# Altium PCB UmTRXv2.PcbDoc (part 11 of 25)
Units mm, origin at the board's own origin, x right, y up, seen from the top; angles counter-clockwise.
Board outline 159.5 x 99.5 mm, 6 copper layers (Top Layer, GND, MidLayer1, Mid-Layer 2, InternalPlane2, Bottom Layer), stack 1.526 mm thick; 708 components, 578 nets, 2802 pads, 1408 vias.
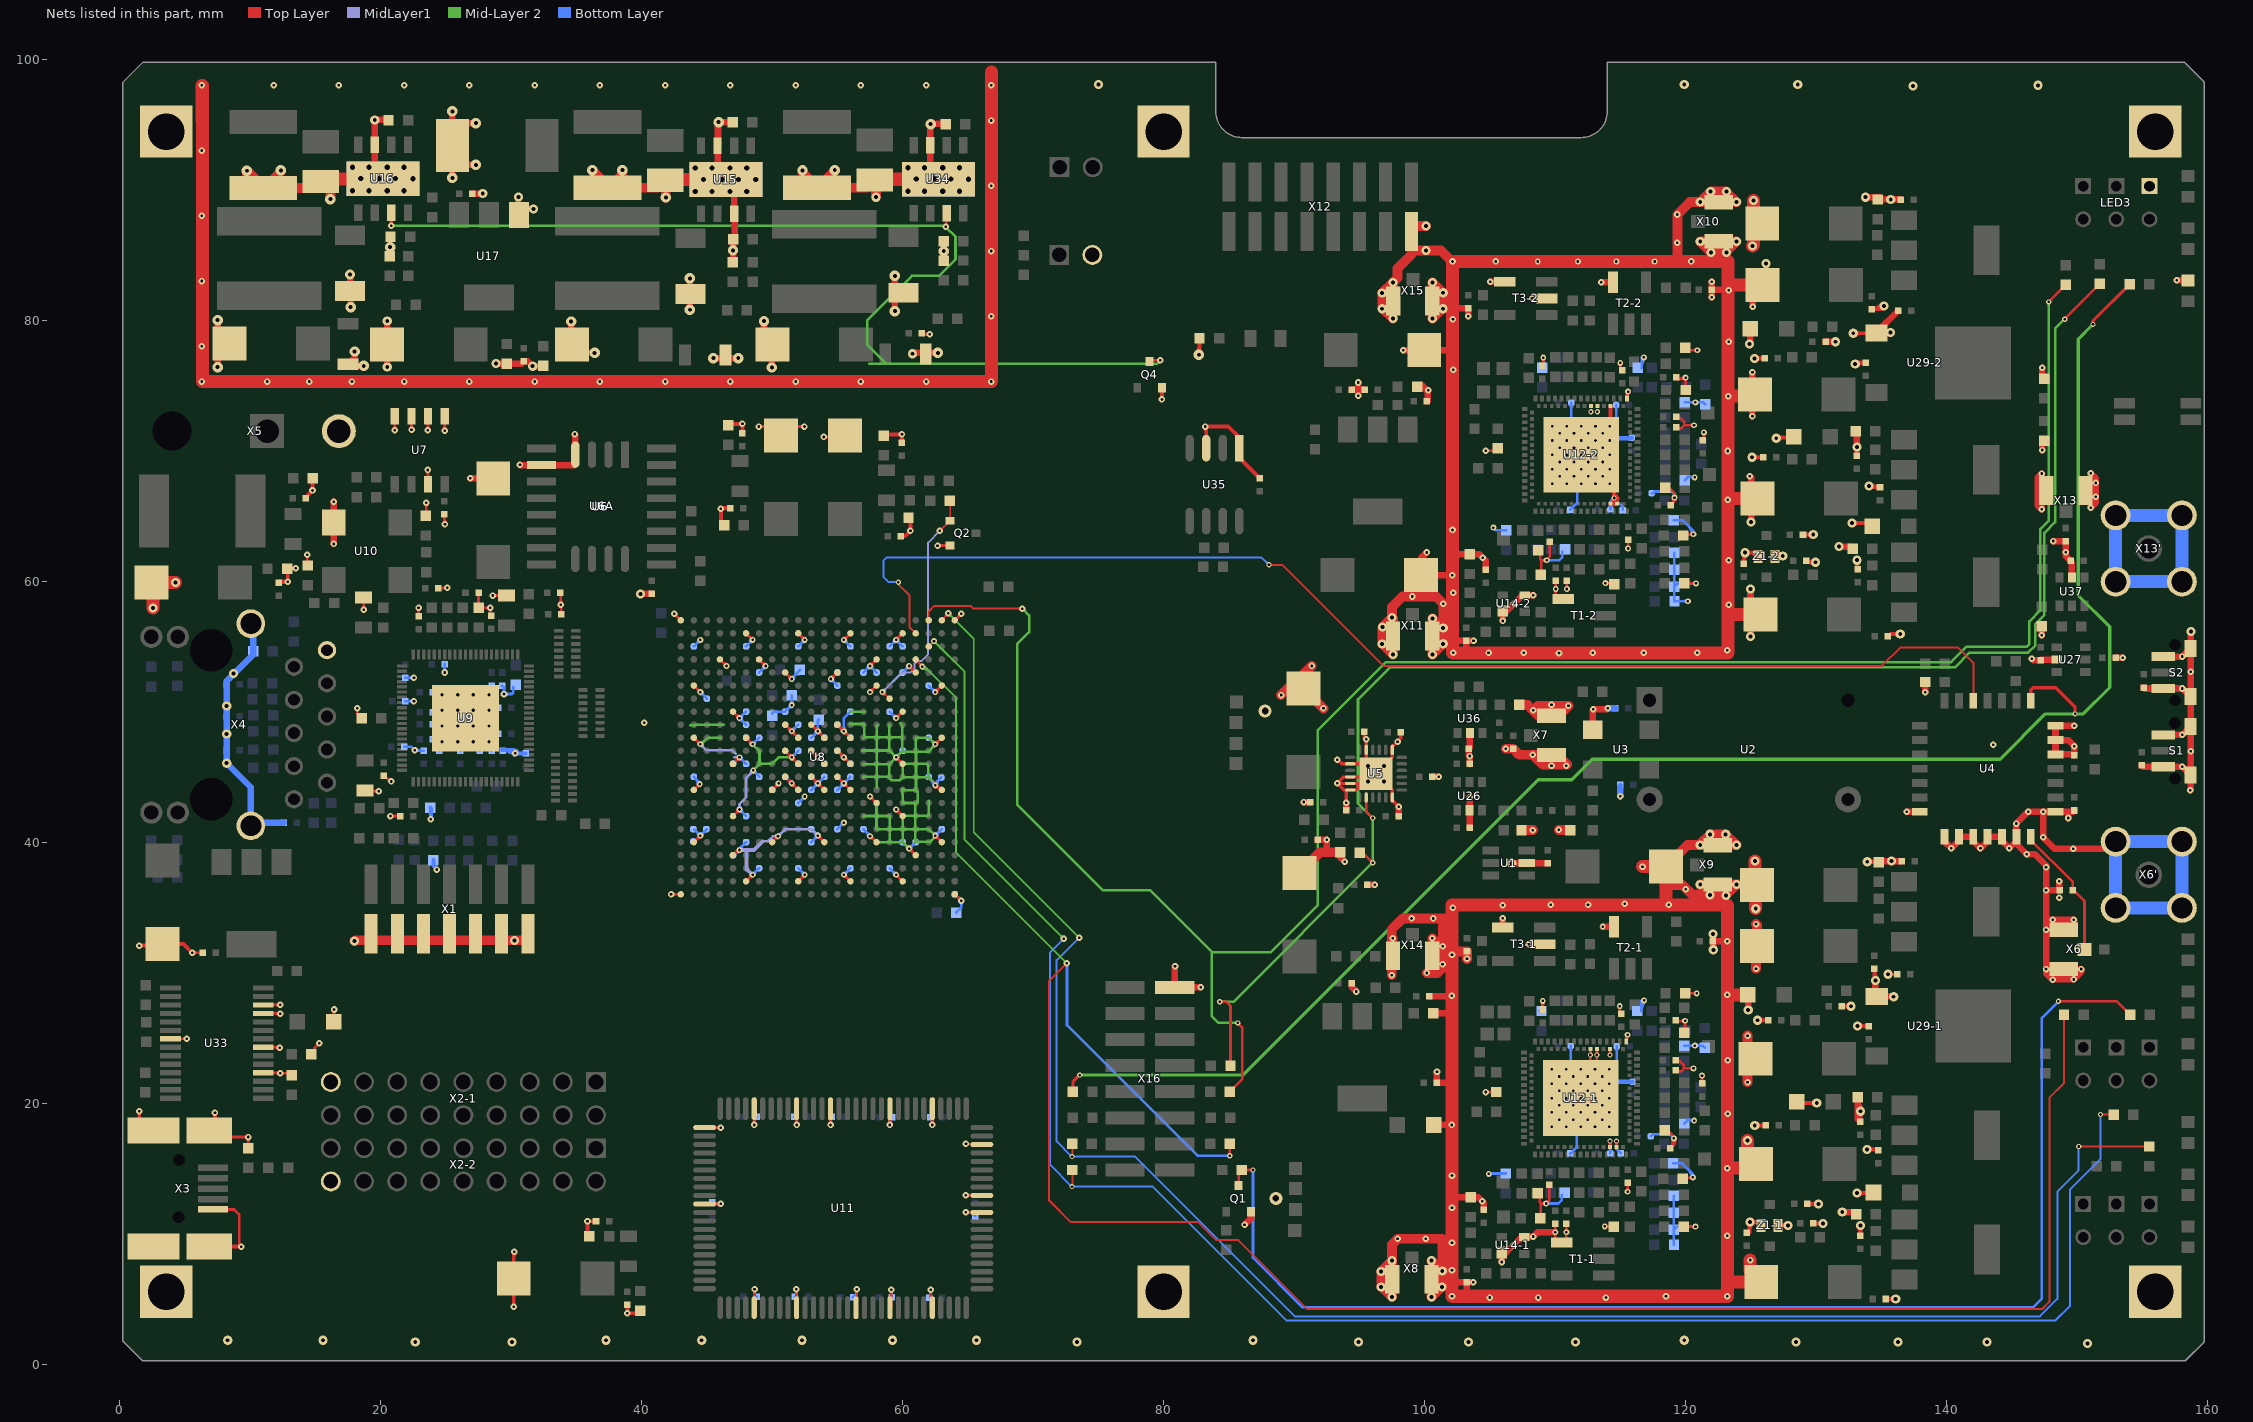
[diagram p15: the nets of this part, all layers, seen from the top]

## Via types
v1: diameter 0.5, hole 0.2, Top Layer to Bottom Layer, tented both sides, 441 vias
v2: diameter 0.45, hole 0.2, Top Layer to Bottom Layer, tented both sides, 429 vias
v3: diameter 0.7, hole 0.3, Top Layer to Bottom Layer, tented both sides, 258 vias
v4: diameter 0.4, hole 0.2, Top Layer to Bottom Layer, tented both sides, 197 vias
v5: diameter 0.8, hole 0.3, Top Layer to Bottom Layer, tented both sides, 61 vias
v6: diameter 0.6, hole 0.25, Top Layer to Bottom Layer, tented both sides, 16 vias
v7: diameter 0.6, hole 0.3, Top Layer to Bottom Layer, tented both sides, 4 vias
v8: diameter 1, hole 0.5, Top Layer to Bottom Layer, tented both sides, 2 vias

## Nets (pads, with @x,y where several pads share a name; then routed paths per layer and width w, separated by ;. In a path a pad name is that pad's centre, name@x,y a point inside that pad or via, vN(x,y) a via of type N, cw(c..) or ccw(c..) an arc to the next point about the centre after c; other vN are vias at no path point) (continued)
GND: (continued)
  Bottom Layer w0.2: C245.2@21.8,47.3 22.35,47.3 v1(22.6,47.05) 22.65,47 C229.2@23.3,47 ; C242.2@21.9,50.8 v1(22.55,50.8) ; C281.2@21.9,52.6 v1(22.55,52.6) ; C238.2@24.5,47 24.5,47.5 v6(24.7,47.7) ; v1(24.9,53) C237.2@24.9,53.65 ; C232.2@26.1,47 26.1,47.5 v6(25.9,47.7) ; C239.2@27.6,47 27.6,47.5 ; C233.2@28.5,47 28.5,47.5 v6(28.3,47.7) ; C231.2@29,48.3 28.4,47.7 v6(28.3,47.7) ; C230.2@29.3,52 29.45,51.85 v1(29.45,51.35) 30.05,51.35 30.15,51.45 C41.1@30.15,51.9 ; C212.1@44,45 44.5,44.5 v2(44.45,44.45) ; C186.1@44,55 v2(44.5,55.5) ; C185.1@44.05,40.05 v2(44.5,40.5) ; C209.1@44.05,40.95 v2(44.5,40.5) ; C212.1@44.123,44.877 cw(c43.696,44.45) v2@44.3,44.45 ; v2@44.35,55.5 cw(c43.988,55.5) 44.244,55.244 cw(c44.5,54.988) v2@44.5,55.35 ; v2@44.5,40.35 ccw(c44.5,39.988) 44.244,40.244 ccw(c43.988,40.5) 44.35,40.5 ccw(c43.988,40.5) 44.244,40.756 ccw(c44.5,41.012) 44.5,40.65 ccw(c44.5,41.012) 44.756,40.756 ccw(c45.012,40.5) v2@44.65,40.5 ; v2@44.5,51.35 cw(c44.5,50.988) 44.756,51.244 cw(c45.012,51.5) v2@44.65,51.5 ; v2(44.5,51.5) C211.1@45,51 ; v2@44.55,40.45 v2(44.5,40.5) ; v2@44.55,40.5 v2(44.5,40.5) ; C208.1@45,41 v2(44.5,40.5) ; C224.1@45.45,12.4 45.575,12.275 v1(46.075,12.275) ; C176.1@47,39 47.5,39.5 C194.1@48,40 ; C210.1@47,46 v2(47.5,46.5) C172.1@48,46 ; C176.1@47.073,39.073 cw(c47.5,38.646) v2@47.5,39.25 ; v2@47.35,46.5 cw(c46.988,46.5) 47.244,46.244 cw(c47.5,45.988) 47.5,46.35 cw(c47.5,45.988) 47.756,46.244 cw(c48.012,46.5) v2@47.65,46.5 ; v2@47.5,42.35 cw(c47.5,41.988) 47.756,42.244 cw(c48.012,42.5) v2@47.65,42.5 ; v2(47.5,42.5) C184.1@48,42 ; v2@47.5,49.35 cw(c47.5,48.988) 47.756,49.244 cw(c48.012,49.5) 47.65,49.5 cw(c48.012,49.5) 47.756,49.756 cw(c47.5,50.012) v2@47.5,49.65 ; v2(47.5,39.4) v2@47.5,39.5 ; v2@47.65,39.4 cw(c48.254,39.4) C194.1@47.827,39.827 ; C213.1@48,48 v2(48.5,47.5) C249.2@49,48 ; C174.1@48,49 v2(47.5,49.5) C177.1@48,50 ; C251.2@48,55 v2(48.5,55.5) ; v2@48.35,47.5 ccw(c47.988,47.5) 48.244,47.756 ccw(c48.5,48.012) 48.5,47.65 ccw(c48.5,48.012) 48.756,47.756 ccw(c49.012,47.5) v2@48.65,47.5 ; v2@48.35,55.5 cw(c47.988,55.5) 48.244,55.244 cw(c48.5,54.988) v2@48.5,55.35 ; v2(48.5,37.5) C187.1@49,38 ; v2@48.5,37.65 ccw(c48.5,38.012) 48.756,37.756 ccw(c49.012,37.5) v2@48.65,37.5 ; v2(48.55,45.5) 49,45.05 C250.2@49,45 ; v1(48.625,18.325) 48.625,18.775 C218.1@48.8,18.95 ; v1(48.65,5.75) 48.65,5.3 C219.1@48.8,5.15 ; C199.1@49,53 v2(49.5,53.5) ; v2@49.35,53.5 cw(c48.988,53.5) 49.244,53.244 cw(c49.5,52.988) v2@49.5,53.35 ; C248.2@50,44 v2(50.5,44.5) ; R23.1@50,49.85 50.15,50 C257.2@51,50 v2(51.5,50.5) R67.1@51.5,51.25 51.5,51.263 R67.1@51.504,51.266 ; v2@50.35,44.5 cw(c49.988,44.5) 50.244,44.244 cw(c50.5,43.988) v2@50.5,44.35 ; C197.1@51,45 v2(51.5,44.5) ; v2@51.35,44.5 ccw(c50.988,44.5) 51.244,44.756 ccw(c51.5,45.012) v2@51.5,44.65 ; v2@51.35,50.5 cw(c50.988,50.5) 51.244,50.244 cw(c51.5,49.988) v2@51.5,50.35 ; v2@51.394,50.606 ccw(c51.138,50.862) 51.5,50.862 ccw(c51.862,50.862) v2@51.606,50.606 ; v2@51.5,46.35 cw(c51.5,45.988) 51.756,46.244 cw(c52.012,46.5) 51.65,46.5 cw(c52.012,46.5) 51.756,46.756 cw(c51.5,47.012) v2@51.5,46.65 ; v2(51.5,48.5) C265.2@52,49 ; v2@51.5,48.65 ccw(c51.5,49.012) 51.756,48.756 ccw(c52.012,48.5) v2@51.65,48.5 ; v2(51.5,52.5) 51.5,52.55 R32.2@52.15,53.2 ; v2@51.5,52.65 ccw(c51.5,52.891) 51.671,52.721 ; v2@51.65,52.5 cw(c52.133,52.5) R32.2@51.791,52.841 ; C217.1@51.7,18.95 51.875,18.775 v1(51.875,18.325) ; C220.1@51.75,5.15 51.85,5.25 v1(51.85,5.75) ; C188.1@52,38 v2(52.5,37.5) ; C206.1@52,43 v2(52.5,43.5) ; C273.2@52,46 v2(51.5,46.5) C263.2@52,47 ; C201.1@52,55 v2(52.5,55.5) ; v2@52.35,37.5 ccw(c51.988,37.5) 52.244,37.756 ccw(c52.5,38.012) v2@52.5,37.65 ; v2@52.35,43.5 cw(c51.988,43.5) 52.244,43.244 cw(c52.5,42.988) v2@52.5,43.35 ; v2@52.35,55.5 cw(c51.988,55.5) 52.244,55.244 cw(c52.5,54.988) v2@52.5,55.35 ; C183.1@53,40 v2(53.5,40.5) C246.2@53,41 ; C262.2@53,44 v2(53.5,44.5) ; C274.2@53,45 v2(53.5,44.5) ; C270.2@53,47 v2(53.5,46.5) C264.2@54,46 ; C277.2@53,48 v2(53.5,48.5) ; v2@53.35,46.5 ccw(c52.988,46.5) 53.244,46.756 ccw(c53.5,47.012) v2@53.5,46.65 ; v2@53.35,48.5 cw(c52.988,48.5) 53.244,48.244 cw(c53.5,47.988) 53.5,48.35 cw(c53.5,47.988) 53.756,48.244 cw(c54.012,48.5) v2@53.65,48.5 ; v2@53.5,40.35 ccw(c53.5,39.988) 53.244,40.244 ccw(c52.988,40.5) 53.35,40.5 ccw(c52.988,40.5) 53.244,40.756 ccw(c53.5,41.012) v2@53.5,40.65 ; v2@53.5,44.35 ccw(c53.5,43.988) 53.244,44.244 ccw(c52.988,44.5) 53.35,44.5 ccw(c52.988,44.5) 53.244,44.756 ccw(c53.5,45.012) 53.5,44.65 ccw(c53.5,45.012) 53.756,44.756 ccw(c54.012,44.5) v2@53.65,44.5 ; v2@53.5,46.35 cw(c53.5,45.988) 53.756,46.244 cw(c54.012,46.5) v2@53.65,46.5 ; R24.1@53.566,49.396 53.5,49.33 v2(53.5,48.5) ; C272.2@54,45 v2(53.5,44.5) ; C268.2@54,48 v2(53.5,48.5) ; v1(54.475,18.325) 54.475,18.875 C223.1@54.55,18.95 ; v2@54.5,52.35 cw(c54.5,51.988) 54.756,52.244 cw(c55.012,52.5) 54.65,52.5 cw(c55.012,52.5) 54.756,52.756 cw(c54.5,53.012) v2@54.5,52.65 ; C182.1@55,41 v2(55.5,41.5) ; C196.1@55,44 v2(55.5,44.5) C260.2@56,45 ; C276.2@55,47 v2(55.5,46.5) C200.1@56,46 ; C271.2@55,49 v2(55.5,48.5) ; C203.1@55,52 v2(54.5,52.5) C247.2@55,53 ; v2@55.35,41.5 cw(c54.988,41.5) 55.244,41.244 cw(c55.5,40.988) v2@55.5,41.35 ; v2@55.35,44.5 cw(c54.988,44.5) 55.244,44.244 cw(c55.5,43.988) v2@55.5,44.35 ; v2@55.35,46.5 ccw(c54.988,46.5) 55.244,46.756 ccw(c55.5,47.012) v2@55.5,46.65 ; v2@55.35,48.5 ccw(c54.988,48.5) 55.244,48.756 ccw(c55.5,49.012) v2@55.5,48.65 ; v2@55.394,48.606 ccw(c55.138,48.862) 55.5,48.862 ccw(c55.862,48.862) v2@55.606,48.606 ; v2(55.5,37.5) C189.1@56,38 ; v2@55.5,37.65 ccw(c55.5,38.012) 55.756,37.756 ccw(c56.012,37.5) v2@55.65,37.5 ; v2@55.5,44.65 ccw(c55.5,45.012) 55.756,44.756 ccw(c56.012,44.5) v2@55.65,44.5 ; v2@55.5,46.35 cw(c55.5,45.988) 55.756,46.244 cw(c56.012,46.5) v2@55.65,46.5 ; v2@55.5,48.35 cw(c55.5,47.988) 55.756,48.244 cw(c56.012,48.5) v2@55.65,48.5 ; v2@55.5,55.35 cw(c55.5,54.988) 55.756,55.244 cw(c56.012,55.5) v2@55.65,55.5 ; v2(55.5,55.5) C252.2@56,55 ; C255.2@56,48 v2(55.5,48.5) ; C258.2@56,50 55.5,49.5 v2(55.5,48.5) ; C225.1@56.2,5.125 56.475,5.4 v1(56.475,5.75) ; C204.1@57,41 v2@57.5,40.5 ; C256.2@57,53 v2(57.5,53.5) C198.1@58,53 ; 57.208,40.792 cw(c56.867,40.45) v2@57.35,40.45 ; 57.33,40.67 ccw(c57.5,40.841) v2@57.5,40.6 ; v2@57.35,53.5 cw(c56.988,53.5) 57.244,53.244 cw(c57.5,52.988) 57.5,53.35 cw(c57.5,52.988) 57.756,53.244 cw(c58.012,53.5) v2@57.65,53.5 ; v2(57.5,40.45) v2@57.5,40.5 ; C190.1@59,38 v2(59.5,37.5) ; C259.2@59,50 v2(59.5,49.5) ; C202.1@59,55 v2(59.5,55.5) C254.2@60,55 ; v1(59.025,18.325) 59.025,18.825 C216.1@59.15,18.95 ; C221.1@59.125,5.125 v1(59.125,5.7) ; v2@59.35,37.5 ccw(c58.988,37.5) 59.244,37.756 ccw(c59.5,38.012) v2@59.5,37.65 ; v2@59.35,49.5 ccw(c58.988,49.5) 59.244,49.756 ccw(c59.5,50.012) v2@59.5,49.65 ; v2@59.35,55.5 cw(c58.988,55.5) 59.244,55.244 cw(c59.5,54.988) 59.5,55.35 cw(c59.5,54.988) 59.756,55.244 cw(c60.012,55.5) v2@59.65,55.5 ; v2(59.5,46.5) C175.1@60,47 ; v2@59.5,46.65 ccw(c59.5,47.012) 59.756,46.756 ccw(c60.012,46.5) v2@59.65,46.5 ; C193.1@60,40 v2(60.5,39.5) C181.1@61,40 ; C178.1@60,53 v2(60.5,53.5) ; v2@60.35,39.5 ccw(c59.988,39.5) 60.244,39.756 ccw(c60.5,40.012) 60.5,39.65 ccw(c60.5,40.012) 60.756,39.756 ccw(c61.012,39.5) v2@60.65,39.5 ; v2@60.35,53.5 cw(c59.988,53.5) 60.244,53.244 cw(c60.5,52.988) v2@60.5,53.35 ; C205.1@62,44.9 v2@62.45,44.45 ; C192.1@62,48 v2(62.5,47.5) ; C207.1@62,52 v2(62.5,51.5) ; C215.1@62.1,18.95 62.275,18.775 v1(62.275,18.325) ; C222.1@62.15,5.1 v1(62.15,5.7) ; 62.209,44.691 cw(c61.867,44.35) v2@62.35,44.35 ; 62.329,44.571 ccw(c62.5,44.741) v2@62.5,44.5 ; v2@62.35,47.5 ccw(c61.988,47.5) 62.244,47.756 ccw(c62.5,48.012) v2@62.5,47.65 ; v2@62.35,51.5 ccw(c61.988,51.5) 62.244,51.756 ccw(c62.5,52.012) v2@62.5,51.65 ; v2(62.5,40.5) C180.1@63,41 ; v2@62.5,40.65 ccw(c62.5,41.012) 62.756,40.756 ccw(c63.012,40.5) v2@62.65,40.5 ; v2(62.5,44.35) 62.5,44.4 v2@62.45,44.45 ; v2@62.65,44.35 cw(c63.374,44.35) C179.1@62.862,44.862 ; C179.1@62.95,44.95 v2@62.45,44.45 ; C191.1@64,36 v1(64.5,35.5) 64.5,35 R93.2@64.1,34.6 ; v1(64.825,11.625) 65.275,11.625 C227.1@65.55,11.35 ; v2@104.956,14.608 R107-1.1@106.211,14.608 ; v2(105.275,64.1) 105.475,63.9 R107-2.1@106.25,63.9 ; C81-1.2@108.811,27.058 109.057,27.304 v2(109.057,27.838) ; C81-2.2@108.85,76.35 109.096,76.596 v2(109.096,77.13) ; v2(109.311,12.308) 110.261,12.308 110.511,12.558 C74-1.2@110.511,12.958 ; v2(109.35,61.6) 110.3,61.6 110.55,61.85 C74-2.2@110.55,62.25 ; U12-1.0@109.707,18.138 U12-1.0@109.757,18.188 ; U12-2.0@109.746,67.43 U12-2.0@109.796,67.48 ; U12-1.0@110.857,22.588 111.2,22.931 C88-1.2@111.2,24.375 ; U12-2.0@110.896,71.88 111.25,72.234 C88-2.2@111.25,73.664 ; C62-1.1@111.15,16.15 111.15,16.081 111.65,16.581 111.65,17.881 U12-1.0@111.957,18.188 ; C62-2.1@111.175,65.475 111.175,65.5 111.7,66.025 111.7,67.184 U12-2.0@111.996,67.48 ; U12-1.0@114.157,18.188 U12-1.0@114.257,18.188 ; U12-1.0@114.157,22.588 114.725,23.156 C79-1.2@114.725,24.35 ; U12-2.0@114.196,67.48 U12-2.0@114.296,67.48 ; U12-2.0@114.196,71.88 114.675,72.359 C79-2.2@114.675,73.5 ; v4(114.207,17.088) 114.225,17.07 C92-1.2@114.225,16.15 ; C92-2.2@114.246,65.5 114.246,66.096 v4(114.525,66.375) 115.2,65.7 C78-2.2@115.2,65.467 ; v4(114.707,17.088) 114.707,16.493 C78-1.2@115.025,16.175 ; C75-1.2@116.611,27.042 v2@116.611,27.858 ; C75-1.2@116.611,27.315 cw(c117.254,27.315) v2@116.799,27.77 ; C75-2.2@116.65,76.334 v2@116.65,77.15 ; C75-2.2@116.65,76.607 cw(c117.293,76.607) v2@116.838,77.062 ; C75-1.2@116.681,27.384 ccw(c116.248,27.634) v2@116.71,27.827 ; v2@116.698,77.078 cw(c116.455,76.906) 116.713,76.757 ; 116.704,27.604 cw(c116.851,27.604) v2@116.837,27.751 ; C89-1.2@117.325,17.45 117.475,17.6 118.794,17.6 v2(119.1,17.294) ; C89-2.2@117.4,66.75 117.525,66.75 117.65,66.875 118.912,66.875 119.137,66.65 119.15,66.65 v2(119.15,66.4) ; C73-1.2@119.057,15.388 119.731,15.388 120.561,14.558 ; C73-2.2@119.096,64.68 119.77,64.68 120.6,63.85 ; R110-1.1@119.107,9.162 R111-1.1@119.107,10.288 ; R113-1.1@119.107,12.888 R112-1.1@119.107,11.588 R111-1.1@119.107,10.288 ; R113-2.1@119.146,62.18 R112-2.1@119.146,60.88 R111-2.1@119.146,59.58 ; C82-1.2@119.907,18.438 C82-1.2@120.077,18.608 ; C98-1.2@119.911,24.408 v2(120.711,24.408) 121.311,24.408 R121-1.2@121.461,24.258 ; C82-2.2@119.946,67.73 C82-2.2@120.116,67.9 ; C98-2.2@119.95,73.7 v2(120.75,73.7) 121.35,73.7 R121-2.2@121.5,73.55 ; C82-1.2@120.127,18.708 v2@120.711,18.708 ; C82-2.2@120.166,68 v2@120.75,68 ; v2(120.172,58.462) 120.16,58.45 R110-2.1@119.15,58.45 119.146,58.454 R111-2.1@119.146,59.58 ; 120.362,14.678 cw(c120.131,14.447) v2@120.442,14.347 ; 120.401,63.97 cw(c120.17,63.739) v2@120.481,63.638 ; v2(120.561,14.308) 120.561,14.558 ; v2(120.6,63.6) 120.6,63.85 ; v2(120.757,10.538) 119.357,10.538 R111-1.1@119.107,10.288 ; v2(120.796,59.83) 119.396,59.83 R111-2.1@119.146,59.58 ; 22.188,50.8 ccw(c22.188,51.162) v1@22.444,50.906 ; 22.188,50.8 ccw(c22.188,51.162) v1@22.444,50.906 ; 22.188,50.8 ccw(c22.188,51.162) v1@22.444,50.906 ; 22.188,50.8 cw(c22.188,50.438) v1@22.444,50.694 ; 22.188,50.8 cw(c22.188,50.438) v1@22.444,50.694 ; 22.188,50.8 cw(c22.188,50.438) v1@22.444,50.694 ; 22.188,52.6 ccw(c22.188,52.962) v1@22.444,52.706 ; 22.188,52.6 ccw(c22.188,52.962) v1@22.444,52.706 ; 22.188,52.6 ccw(c22.188,52.962) v1@22.444,52.706 ; 22.188,52.6 cw(c22.188,52.238) v1@22.444,52.494 ; 22.188,52.6 cw(c22.188,52.238) v1@22.444,52.494 ; 22.188,52.6 cw(c22.188,52.238) v1@22.444,52.494 ; v1@22.706,47.156 ccw(c23.083,47.533) C229.2@23.083,47 ; v1@22.706,47.156 ccw(c23.083,47.533) C229.2@23.083,47 ; v1@22.706,47.156 ccw(c23.083,47.533) C229.2@23.083,47 ; C244.2@24,47.9 cw(c24,47.288) v6@24.528,47.598 ; C244.2@24,47.9 cw(c24,47.288) v6@24.528,47.598 ; C244.2@24,47.9 cw(c24,47.288) v6@24.528,47.598 ; C244.2@24,47.9 24.5,47.9 v6(24.7,47.7) ; C243.2@24,49.1 cw(c24,48.488) v6@24.528,48.798 ; C243.2@24,49.1 cw(c24,48.488) v6@24.528,48.798 ; C243.2@24,49.1 cw(c24,48.488) v6@24.528,48.798 ; C243.2@24,49.1 24.5,49.1 v6(24.7,48.9) ; C282.2@24,49.9 ccw(c24,50.512) v6@24.528,50.202 ; C282.2@24,49.9 ccw(c24,50.512) v6@24.528,50.202 ; C282.2@24,49.9 ccw(c24,50.512) v6@24.528,50.202 ; C282.2@24,49.9 24.5,49.9 v6(24.7,50.1) ; C241.2@24,51.5 cw(c24,50.888) v6@24.528,51.198 ; C241.2@24,51.5 cw(c24,50.888) v6@24.528,51.198 ; C241.2@24,51.5 cw(c24,50.888) v6@24.528,51.198 ; C241.2@24,51.5 24.5,51.5 v6(24.7,51.3) ; 24.35,47.9 cw(c24.35,47.494) v6(24.7,47.7) ; 24.35,47.9 cw(c24.35,47.494) v6(24.7,47.7) ; 24.35,47.9 cw(c24.35,47.494) v6(24.7,47.7) ; 24.35,49.1 cw(c24.35,48.694) v6(24.7,48.9) ; 24.35,49.1 cw(c24.35,48.694) v6(24.7,48.9) ; 24.35,49.1 cw(c24.35,48.694) v6(24.7,48.9) ; 24.35,49.9 ccw(c24.35,50.306) v6(24.7,50.1) ; 24.35,49.9 ccw(c24.35,50.306) v6(24.7,50.1) ; 24.35,49.9 ccw(c24.35,50.306) v6(24.7,50.1) ; 24.35,51.5 cw(c24.35,51.094) v6(24.7,51.3) ; 24.35,51.5 cw(c24.35,51.094) v6(24.7,51.3) ; 24.35,51.5 cw(c24.35,51.094) v6(24.7,51.3) ; C238.2@24.5,46.972 cw(c25.162,46.972) v6@24.807,47.531 ; C238.2@24.5,46.972 cw(c25.162,46.972) v6@24.807,47.531 ; C238.2@24.5,46.972 cw(c25.162,46.972) v6@24.807,47.531 ; 24.5,47.336 cw(c24.931,47.336) v6(24.7,47.7) ; 24.5,47.336 cw(c24.931,47.336) v6(24.7,47.7) ; 24.5,47.336 cw(c24.931,47.336) v6(24.7,47.7) ; v1@24.794,53.106 ccw(c24.538,53.362) 24.9,53.362 ; v1@24.794,53.106 ccw(c24.538,53.362) 24.9,53.362 ; v1@24.794,53.106 ccw(c24.538,53.362) 24.9,53.362 ; 24.9,53.362 ccw(c25.262,53.362) v1@25.006,53.106 ; 24.9,53.362 ccw(c25.262,53.362) v1@25.006,53.106 ; 24.9,53.362 ccw(c25.262,53.362) v1@25.006,53.106 ; v6@25.793,47.531 cw(c25.438,46.972) C232.2@26.1,46.972 ; v6@25.793,47.531 cw(c25.438,46.972) C232.2@26.1,46.972 ; v6@25.793,47.531 cw(c25.438,46.972) C232.2@26.1,46.972 ; v6(25.9,47.7) cw(c25.669,47.336) 26.1,47.336 ; v6(25.9,47.7) cw(c25.669,47.336) 26.1,47.336 ; v6(25.9,47.7) cw(c25.669,47.336) 26.1,47.336 ; v6(27.1,47.7) cw(c27.247,47.487) 27.43,47.67 ; v6(27.1,47.7) cw(c27.247,47.487) 27.43,47.67 ; v6(27.1,47.7) cw(c27.247,47.487) 27.43,47.67 ; v6(27.1,47.7) 27.4,47.7 27.6,47.5 ; v6@27.213,47.535 cw(c27.386,47.286) 27.6,47.5 ; v6@27.213,47.535 cw(c27.386,47.286) 27.6,47.5 ; v6@27.213,47.535 cw(c27.386,47.286) 27.6,47.5 ; v6@28.193,47.531 cw(c27.838,46.972) C233.2@28.5,46.972 ; v6@28.193,47.531 cw(c27.838,46.972) C233.2@28.5,46.972 ; v6@28.193,47.531 cw(c27.838,46.972) C233.2@28.5,46.972 ; v6@28.198,51.472 ccw(c27.888,52) C236.2@28.5,52 ; v6@28.198,51.472 ccw(c27.888,52) C236.2@28.5,52 ; v6@28.198,51.472 ccw(c27.888,52) C236.2@28.5,52 ; v6(28.3,47.7) cw(c28.73,47.54) 28.611,47.983 ; v6(28.3,47.7) cw(c28.73,47.54) 28.611,47.983 ; v6(28.3,47.7) cw(c28.73,47.54) 28.611,47.983 ; v6(28.3,47.7) cw(c28.069,47.336) 28.5,47.336 ; v6(28.3,47.7) cw(c28.069,47.336) 28.5,47.336 ; v6(28.3,47.7) cw(c28.069,47.336) 28.5,47.336 ; v6@28.3,47.9 ccw(c28.3,48.624) C231.2@28.812,48.112 ; v6@28.3,47.9 ccw(c28.3,48.624) C231.2@28.812,48.112 ; v6@28.3,47.9 ccw(c28.3,48.624) C231.2@28.812,48.112 ; v6(28.3,50.1) cw(c28.65,49.894) 28.65,50.3 ; v6(28.3,50.1) cw(c28.65,49.894) 28.65,50.3 ; v6(28.3,50.1) cw(c28.65,49.894) 28.65,50.3 ; v6(28.3,50.1) 28.5,50.3 C234.2@29,50.3 ; v6(28.3,51.3) ccw(c28.094,51.65) 28.5,51.65 ; v6(28.3,51.3) ccw(c28.094,51.65) 28.5,51.65 ; v6(28.3,51.3) ccw(c28.094,51.65) 28.5,51.65 ; v6(28.3,51.3) 28.5,51.5 C236.2@28.5,52 ; v6@28.472,49.998 cw(c29,49.688) C234.2@29,50.3 ; v6@28.472,49.998 cw(c29,49.688) C234.2@29,50.3 ; v6@28.472,49.998 cw(c29,49.688) C234.2@29,50.3 ; v6@28.5,47.7 cw(c28.741,47.7) 28.571,47.871 ; v6@28.5,47.7 cw(c28.741,47.7) 28.571,47.871 ; v6@28.5,47.7 cw(c28.741,47.7) 28.571,47.871 ; v1@29.344,51.456 ccw(c29.088,51.712) 29.45,51.712 ; v1@29.344,51.456 ccw(c29.088,51.712) 29.45,51.712 ; v1@29.344,51.456 ccw(c29.088,51.712) 29.45,51.712 ; 29.45,51.712 ccw(c29.812,51.712) v1@29.556,51.456 ; 29.45,51.712 ccw(c29.812,51.712) v1@29.556,51.456 ; 29.45,51.712 ccw(c29.812,51.712) v1@29.556,51.456 ; v1@29.556,51.244 cw(c29.812,50.988) 29.812,51.35 ; v1@29.556,51.244 cw(c29.812,50.988) 29.812,51.35 ; v1@29.556,51.244 cw(c29.812,50.988) 29.812,51.35 ; v1@29.556,51.456 ccw(c29.812,51.712) 29.812,51.35 ; v1@29.556,51.456 ccw(c29.812,51.712) 29.812,51.35 ; v1@29.556,51.456 ccw(c29.812,51.712) 29.812,51.35 ; 44.287,40.287 ccw(c44.073,40.5) v2@44.375,40.5 ; 44.287,40.287 ccw(c44.073,40.5) v2@44.375,40.5 ; 44.287,40.287 cw(c44.5,40.073) 44.5,40.375 ccw(c44.5,40.073) 44.287,40.287 ; 44.287,40.713 ccw(c44.5,40.927) v2@44.5,40.625 ; 44.287,40.713 ccw(c44.5,40.927) v2@44.5,40.625 ; 44.287,40.713 cw(c44.073,40.5) v2@44.375,40.5 ; 44.287,40.713 cw(c44.073,40.5) v2@44.375,40.5 ; 44.287,55.287 cw(c44.5,55.073) 44.5,55.375 ccw(c44.5,55.073) 44.287,55.287 ; 44.287,55.287 ccw(c44.073,55.5) 44.375,55.5 cw(c44.073,55.5) 44.287,55.287 ; v2@44.5,40.625 ccw(c44.5,40.927) 44.713,40.713 ; v2@44.5,40.625 ccw(c44.5,40.927) 44.713,40.713 ; 44.713,40.713 ccw(c44.927,40.5) 44.625,40.5 cw(c44.927,40.5) 44.713,40.713 ; 44.713,51.287 cw(c44.927,51.5) 44.625,51.5 ccw(c44.927,51.5) 44.713,51.287 ; 44.713,51.287 ccw(c44.5,51.073) 44.5,51.375 cw(c44.5,51.073) 44.713,51.287 ; 45.713,12.275 ccw(c45.713,12.637) v1@45.969,12.381 ; 45.713,12.275 cw(c45.713,11.913) v1@45.969,12.169 ; 45.713,12.275 ccw(c45.713,12.637) v1@45.969,12.381 ; 45.713,12.275 ccw(c45.713,12.637) v1@45.969,12.381 ; 45.713,12.275 cw(c45.713,11.913) v1@45.969,12.169 ; 45.713,12.275 cw(c45.713,11.913) v1@45.969,12.169 ; 47.287,46.287 ccw(c47.073,46.5) 47.375,46.5 cw(c47.073,46.5) 47.287,46.287 ; 47.287,46.287 cw(c47.5,46.073) v2@47.5,46.375 ; 47.287,46.287 cw(c47.5,46.073) v2@47.5,46.375 ; v2@47.5,46.375 cw(c47.5,46.073) 47.713,46.287 ; v2@47.5,46.375 cw(c47.5,46.073) 47.713,46.287 ; v2@47.625,49.5 cw(c47.927,49.5) 47.713,49.713 ; v2@47.625,49.5 cw(c47.927,49.5) 47.713,49.713 ; v2@47.625,49.5 ccw(c47.927,49.5) 47.713,49.287 ; v2@47.625,49.5 ccw(c47.927,49.5) 47.713,49.287 ; 47.713,42.287 ccw(c47.5,42.073) 47.5,42.375 cw(c47.5,42.073) 47.713,42.287 ; 47.713,42.287 cw(c47.927,42.5) 47.625,42.5 ccw(c47.927,42.5) 47.713,42.287 ; 47.713,46.287 cw(c47.927,46.5) 47.625,46.5 ccw(c47.927,46.5) 47.713,46.287 ; 47.713,49.287 ccw(c47.5,49.073) 47.5,49.375 cw(c47.5,49.073) 47.713,49.287 ; 47.713,49.713 cw(c47.5,49.927) 47.5,49.625 ccw(c47.5,49.927) 47.713,49.713 ; 48.287,47.713 ccw(c48.5,47.927) v2@48.5,47.625 ; 48.287,47.713 ccw(c48.5,47.927) v2@48.5,47.625 ; 48.287,47.713 cw(c48.073,47.5) 48.375,47.5 ccw(c48.073,47.5) 48.287,47.713 ; 48.287,55.287 cw(c48.5,55.073) 48.5,55.375 ccw(c48.5,55.073) 48.287,55.287 ; 48.287,55.287 ccw(c48.073,55.5) 48.375,55.5 cw(c48.073,55.5) 48.287,55.287 ; v2@48.5,47.625 ccw(c48.5,47.927) 48.713,47.713 ; v2@48.5,47.625 ccw(c48.5,47.927) 48.713,47.713 ; v1@48.519,18.431 ccw(c48.263,18.687) 48.625,18.687 ; v1@48.519,18.431 ccw(c48.263,18.687) 48.625,18.687 ; v1@48.519,18.431 ccw(c48.263,18.687) 48.625,18.687 ; v2@48.55,45.375 cw(c48.55,45.073) 48.763,45.287 ; v2@48.55,45.375 cw(c48.55,45.073) 48.763,45.287 ; v2@48.55,45.375 cw(c48.55,45.073) 48.763,45.287 ; 48.625,18.687 ccw(c48.987,18.687) v1@48.731,18.431 ; 48.625,18.687 ccw(c48.987,18.687) v1@48.731,18.431 ; 48.625,18.687 ccw(c48.987,18.687) v1@48.731,18.431 ; v2@48.675,45.5 ccw(c48.977,45.5) 48.763,45.287 ; v2@48.675,45.5 ccw(c48.977,45.5) 48.763,45.287 ; v2@48.675,45.5 ccw(c48.977,45.5) 48.763,45.287 ; 48.713,37.713 cw(c48.5,37.927) 48.5,37.625 ccw(c48.5,37.927) 48.713,37.713 ; 48.713,37.713 ccw(c48.927,37.5) 48.625,37.5 cw(c48.927,37.5) 48.713,37.713 ; 48.713,47.713 ccw(c48.927,47.5) 48.625,47.5 cw(c48.927,47.5) 48.713,47.713 ; 49.287,53.287 ccw(c49.073,53.5) 49.375,53.5 cw(c49.073,53.5) 49.287,53.287 ; 49.287,53.287 cw(c49.5,53.073) 49.5,53.375 ccw(c49.5,53.073) 49.287,53.287 ; 50.287,44.287 cw(c50.5,44.073) 50.5,44.375 ccw(c50.5,44.073) 50.287,44.287 ; 50.287,44.287 ccw(c50.073,44.5) 50.375,44.5 cw(c50.073,44.5) 50.287,44.287 ; 51.287,44.713 ccw(c51.5,44.927) 51.5,44.625 cw(c51.5,44.927) 51.287,44.713 ; 51.287,44.713 cw(c51.073,44.5) 51.375,44.5 ccw(c51.073,44.5) 51.287,44.713 ; 51.287,50.287 cw(c51.5,50.073) 51.5,50.375 ccw(c51.5,50.073) 51.287,50.287 ; 51.287,50.287 ccw(c51.073,50.5) 51.375,50.5 